# Altium PCB PCB1.PcbDoc
Units mm, origin at the board's own origin, x right, y up, seen from the top; angles counter-clockwise.
Board outline 90.4 x 78.4 mm, 2 copper layers (Top Layer, Bottom Layer); 20 components, 25 nets, 139 pads, 25 vias.
Unrouted connection lines stored in the file: 2.
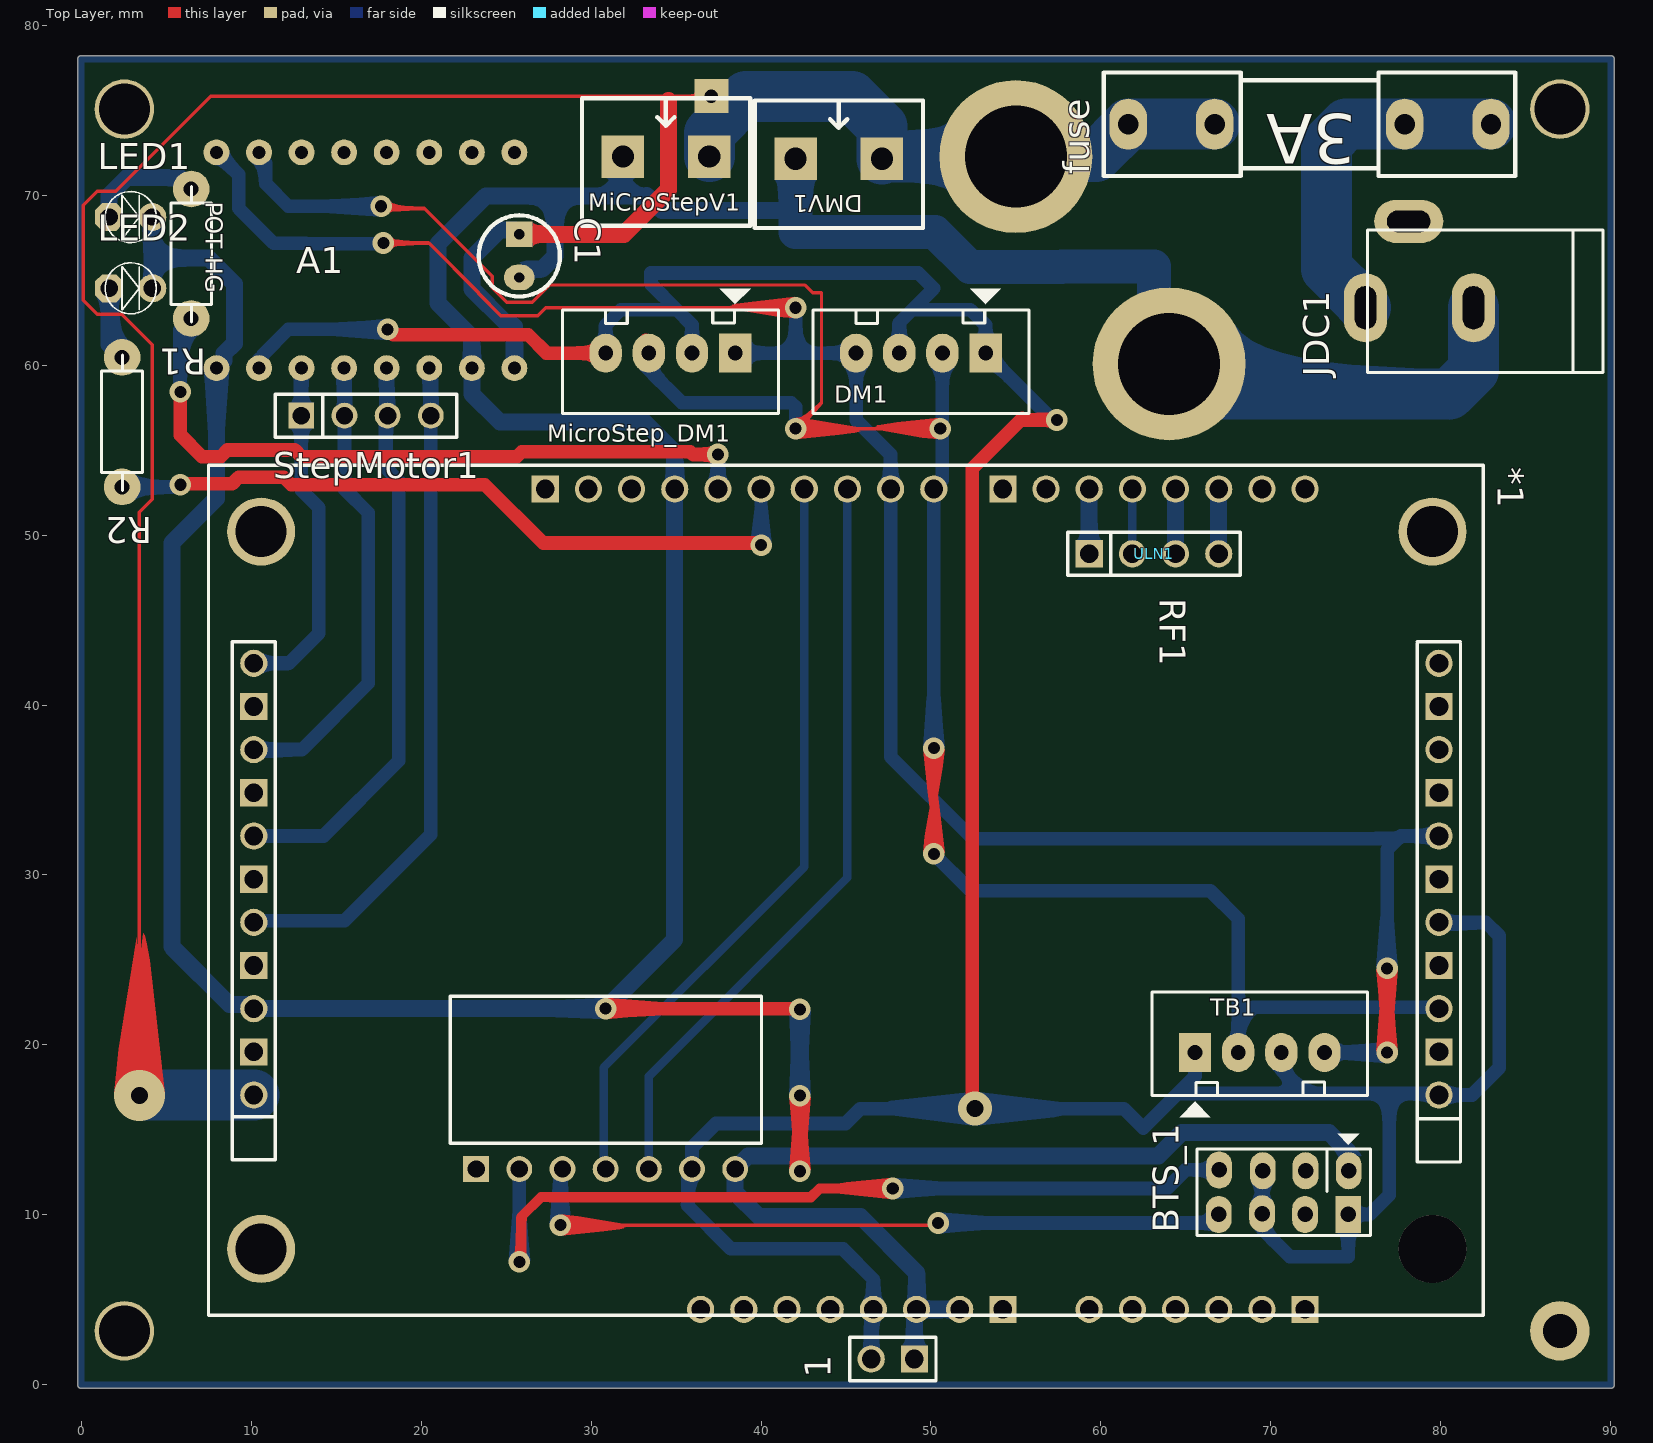
[diagram p0: Top Layer view]
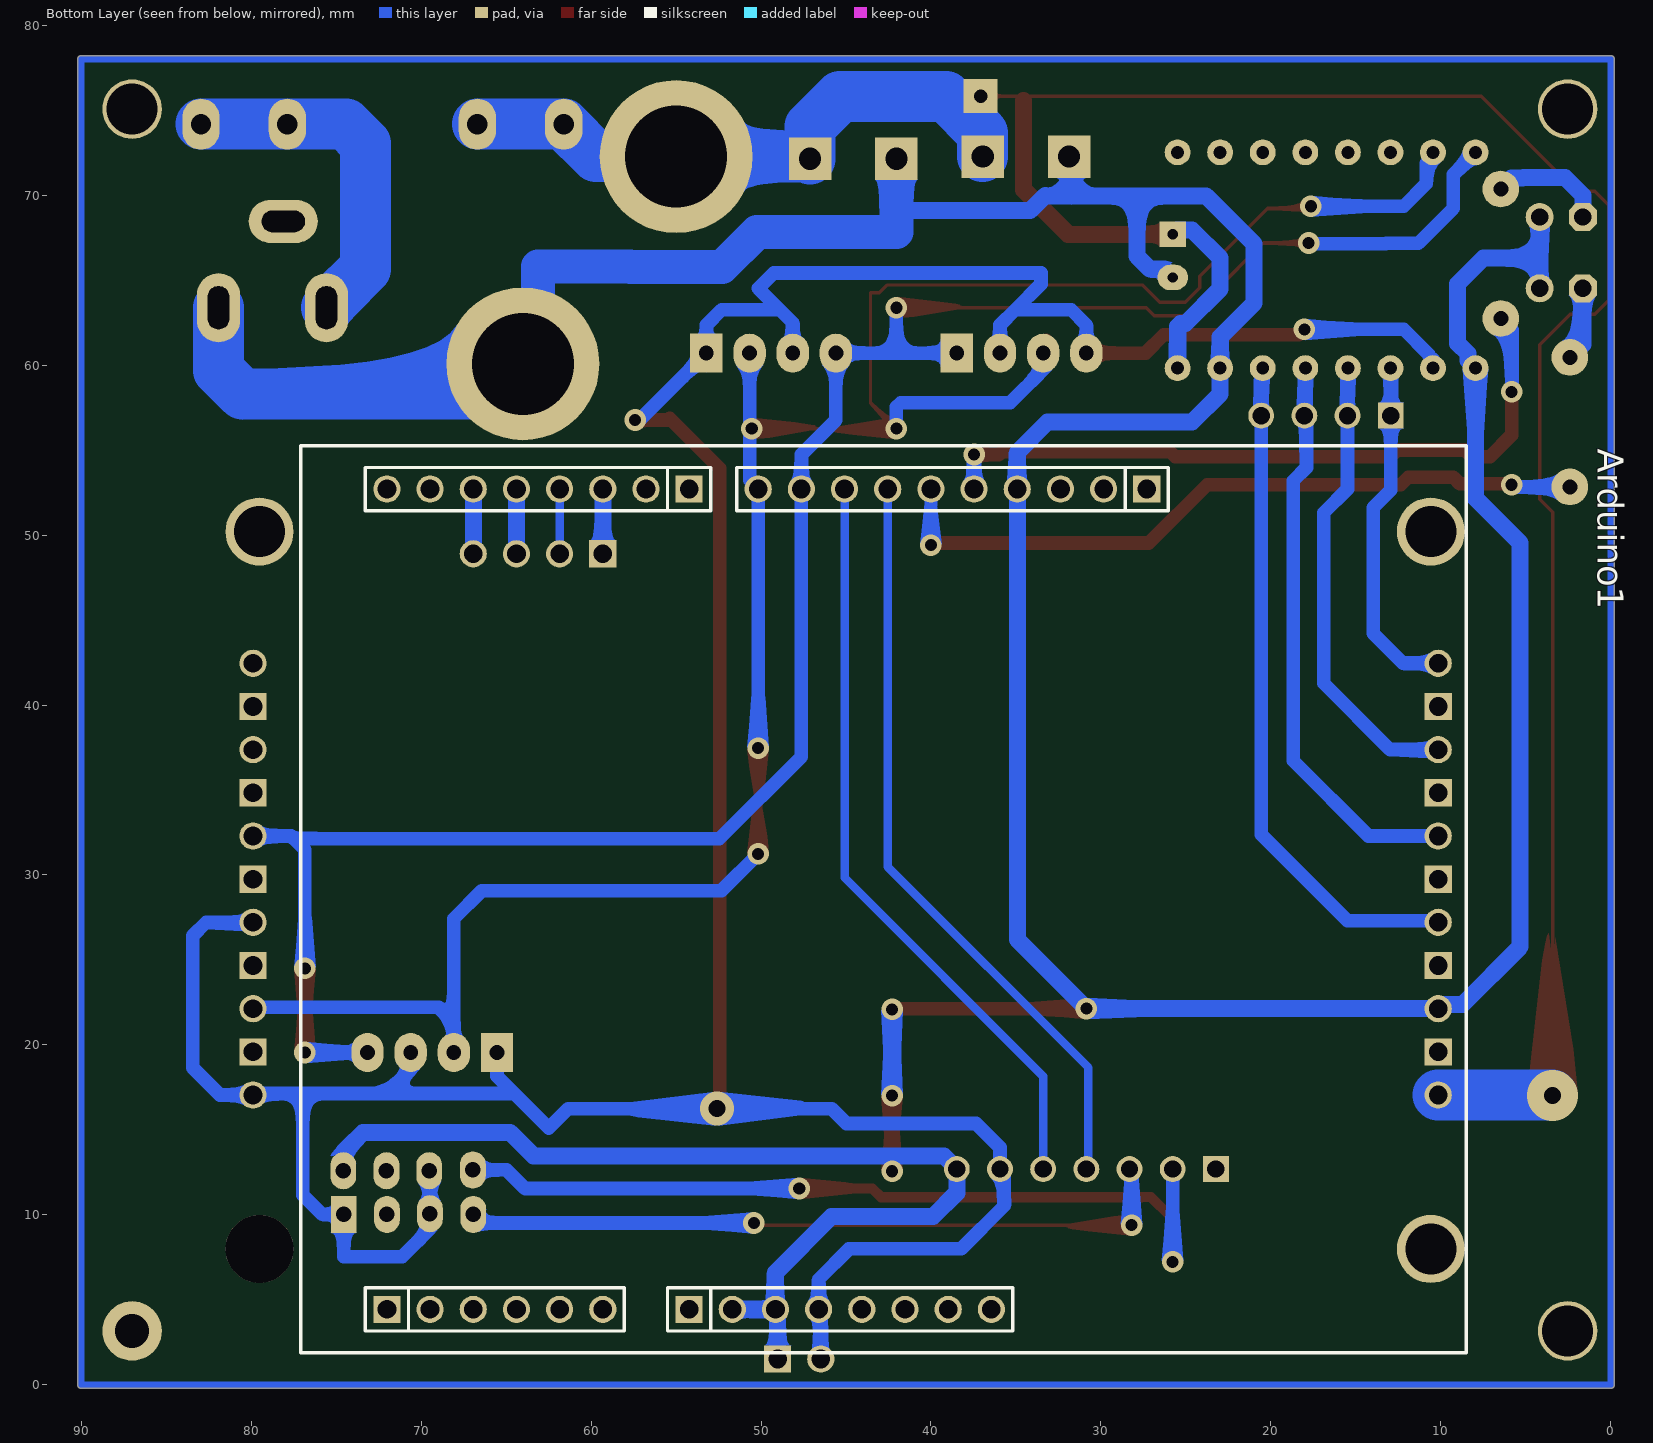
[diagram p1: Bottom Layer view, seen from below]

## Layer stack, top to bottom
Top Solder: solder mask 0.0102, Solder Resist, Dk 3.5
Top Layer: signal copper 0.0356
Dielectric 1: dielectric 0.32, FR-4, Dk 4.8
Bottom Layer: signal copper 0.0356
Bottom Solder: solder mask 0.0102, Solder Resist, Dk 3.5

## Board outline
-0.2,0 ccw(c0,0) 0,-0.2 90,-0.2 ccw(c90,0) 90.2,0 90.2,78 ccw(c90,78) 90,78.2 0,78.2 ccw(c0,78) -0.2,78

## Design rules (kind name [scope] priority, off if disabled: settings)
Clearance [All] p1: gap=0.6 ignorepadtopadclearanceinfootprint=FALSE
PolygonConnect [All] p1: connectstyle=Relief reliefconductorwidth=0.254 reliefentries=4 polygonreliefangle="90 Angle" airgapwidth=0.254
RoutingVias [All] p1: holewidth=0.711 width=1.27 viastyle="Through Hole" minholewidth=0.711 minwidth=1.27 maxholewidth=0.711 maxwidth=1.27
SolderMaskExpansion [All] p1: expansion=0.102
Width [All] p1: maxlimit=5 minlimit=0.1 preferedwidth=1
30 further rules are at their usual default settings.

## Components (designator, comment, footprint, x,y, rotation, side; value= is the part's Value field where it differs from the comment)
1 "JP2" JP2-D1T 49.022,1.524 r180 top
*1 "TB6560_Module" TB6560_Module 7.493,4.101 r0 top
A1 "A4988" A4988 7.965,59.817 r0 top
Arduino1 "Arduino Uno R3" UNO_R3_NoCircle 28.067,36.83 r180 bottom value="Cau 1A"
BTS_1 "Connector 4x2" JP4x2 70.752,11.341 r180 top
C1 "47uF" CA-ALU-2.54 25.781,66.421 r270 top value=104
DM1 "JP4" CON4 53.213,60.706 r180 top value="Connector 4"
DMV1 "KF2" KF2-5.08 44.577,72.136 r0 top
fuse "F1A" Fuse1 72.263,74.168 r180 top value=Fuse
JDC1 "Jac DC" DC0 78.74,65.913 r180 top
LED1 "LED" LED-3MM-RED 1.651,68.707 r0 top value="LED 3 ly Single Colour"
LED2 "LED" LED-3MM-RED 1.651,64.516 r0 top value="LED 3 ly Single Colour"
MicroStep_DM1 "JP4" CON4 38.481,60.706 r180 top value="Connector 4"
MiCroStepV1 "KF2" KF2-5.08 34.417,72.263 r0 top
R1 "330" RES-1/4W-SMALL 6.477,66.294 r90 top
R2 "330" RES-1/4W-SMALL 2.413,56.388 r90 top
RF1 "RF315-PT2272" RF_315 38.506,12.7 r0 top
StepMotor1 "JP4" JP4-C1T 12.954,57.023 r0 top
TB1 "JP4" CON4 65.532,19.558 r0 top value="Connector 4"
ULN1 "JP4" JP4-D1T 59.309,48.895 r0 top

## Footprints (in the part's own frame and the unit in brackets; to place one, negate y for a bottom-side part, rotate by r counter-clockwise, add the part's x,y. Pads: shape width x height; smd on the part's side, far side on the other; paste and mask are expansions set on the pad)
A4988 [mil]
  round 60 hole 30: 1(0,0) 2(98.57,0) 3(197.14,0) 4(295.71,0) 5(394.29,0) 6(492.86,0) 7(591.43,0) 8(690,0) 9(0,500) 10(98.57,500) 11(197.14,500) 12(295.71,500) 13(394.29,500) 14(492.86,500) 15(591.43,500) 16(690,500)
  body extent -55,-50 745,550, height 336
CA-ALU-2.54 [mm]
  rect 1.5x1.58 hole 0.6: 1(-1.27,0)
  oval 1.5x1.8 hole 0.6: 2(1.27,0)
  silkscreen extent -2.39,-2.39 2.39,2.39, body extent -2,-2.03 1.99,1.97, height 7.01
CON4 [mil] "CON4"
  rect 75x90 hole 34: 1(0,0)
  oval 75x90 hole 34: 2(100,0) 3(200,0) 4(300,0)
  silkscreen extent -100,-150 400,140, body extent -90,-90 398,136, height 276
DC0 [mil] "Jac DC input"
  oval 100x160 hole 50 slot 100 at 90 deg: 1(125,100) 2(-125,100)
  oval 160x100 hole 50 slot 100 at 0 deg: 3(25,-100)
  silkscreen extent -425,-80 120,250, body extent -410,-105 134,269, height 434
Fuse1 [mm]
  oval 2.2x3 hole 1.2: 1(-10.684,0) 1(-5.604,0) 2(5.579,0) 2(10.659,0)
  silkscreen extent -12.12,-3.05 12.09,3.05, body extent -10.84,-2.95 10.87,2.95, height 9.75
JP2-D1T [mm] "2 pins, 1 row, straight, gold plating"
  rect 1.6x1.6 hole 1.1: 1(0,0)
  round 1.6 hole 1.1: 2(2.54,0)
  silkscreen extent -1.27,-1.27 3.81,1.27, body extent -1.27,-1.27 3.81,1.27, height 8.54
JP4-C1T [mm] "4 row, straight, gold plating"
  rect 1.52x1.52 hole 1.02: 1(0,0)
  round 1.52 hole 1.02: 2(2.54,0) 3(5.08,0) 4(7.62,0)
  silkscreen extent -1.52,-1.27 9.14,1.27, body extent -1.52,-1.25 9.14,1.25, height 8.51
JP4-D1T [mm] "4 pins, 1 row, straight, gold plating"
  rect 1.6x1.6 hole 1.1: 1(0,0)
  round 1.6 hole 1.1: 2(2.54,0) 3(5.08,0) 4(7.62,0)
  silkscreen extent -1.27,-1.27 8.89,1.27, body extent -1.27,-1.27 8.89,1.27, height 8.54
JP4x2 [mil] "Connector 4x2"
  oval 60x86 hole 36: 1(-150.5,-49.5) 2(-50.5,-49.5) 3(48.5,-49.5) 4(149.5,-51.5) 6(-49.5,51.5) 7(50,50) 8(150.5,51.5)
  rect 60x86 hole 36: 5(-149.5,51.5)
  silkscreen extent -200,-135 200,101, body extent -197,-100 203,100, height 335
KF2-5.08 [mm]
  rect 2.5x2.5 hole 1.3: 1(-2.54,0) 2(2.54,0)
  silkscreen extent -4.95,-4.08 4.95,3.43, body extent -5,-4.07 5,3.43, height 10
LED-3MM-RED [mil]
  oct 65x65 hole 40: 1(0,0)
  round 65 hole 40: 2(100,0)
  silkscreen extent -9,-59 109,59, body extent -27,-77 117,80, height 181
RES-1/4W-SMALL [mil]
  round 85 hole 35: 1(-140,0) 2(160,0)
  silkscreen extent -148,-47 166,47, body extent -152,-47 172,47, height 97
RF_315 [mm]
  rect 1.52x1.52 hole 1.02: 1(-15.265,0)
  round 1.52 hole 1.02: 2(-12.725,0) 3(-10.185,0) 4(-7.645,0) 5(-5.105,0) 6(-2.565,0) 7(-0.025,0)
  silkscreen extent -16.79,1.52 1.52,10.17, body extent -16.82,-0.25 24.18,33.84, height 9
TB6560_Module [mm]
  round 1.6 hole 1.1: 1(2.667,12.954) 2(2.667,18.034) 3(2.667,23.114) 4(2.667,28.194) 5(2.667,33.274) 6(2.667,38.354) 7(72.39,12.954) 8(72.39,18.034) 9(72.39,23.114) 10(72.39,28.194) 11(72.39,33.274) 12(72.39,38.354)
  rect 1.6x1.6 hole 1.1: No(2.667,15.494) NO(2.667,20.574) NO(2.667,25.654) NO(2.667,30.734) NO(2.667,35.814) NO(72.39,15.494) NO(72.39,20.574) NO(72.39,25.654) NO(72.39,30.734) NO(72.39,35.814)
  round 4 hole 3: SC(3.1,3.9) SC(3.1,46.1) SC(72.009,46.1)
  round 4 hole 4: SC(72.009,3.9)
  silkscreen extent 0,0 75,50, body extent 0.09,0.13 75.09,50.13, height 40
UNO_R3_NoCircle [mm]
  round 1.6 hole 1.1: 0-RX(-43.942,15.875) 1-TX(-41.402,15.875) 2(-38.862,15.875) 3V3(-16.002,-32.385) 4(-33.782,15.875) 5V(-18.542,-32.385) 8(-22.098,15.875) 12(-11.938,15.875) 13(-9.398,15.875) A0(-31.242,-32.385) A1(-33.782,-32.385) A2(-36.322,-32.385) A3(-38.862,-32.385) A4(-41.402,-32.385) AREF(-4.318,15.875) GND(-23.622,-32.385) GND(-21.082,-32.385) GND(-6.858,15.875) IOREF(-10.922,-32.385) NC(-8.382,-32.385) RESET(-13.462,-32.385) SDA(-1.778,15.875) ~3(-36.322,15.875) ~5(-31.242,15.875) ~6(-28.702,15.875) ~9(-19.558,15.875) ~10(-17.018,15.875) ~11(-14.478,15.875)
  rect 1.6x1.6 hole 1.1: 7(-26.162,15.875) A5(-43.942,-32.385) SCL(0.762,15.875) Vin(-26.162,-32.385)
  silkscreen extent -49.02,-34.92 19.56,18.42, body extent -49.38,-35.06 26.53,18.34, height 20.78

## Part data
1: "WR-PHD 2.54 mm Angled Socket Header", Manufacturer="Würth Elektronik eiSos GmbH", partNo=613002143121, ComponentLink1 Description=Manufacturer, ComponentLink1URL=http://www.we-online.com, ComponentLink2 Description=Datasheet, ComponentLink2URL=http://katalog.we-online.de/em/datasheet/6130xx143121.pdf, Created by="Karrer Zheng", Created Date="29 March 2013", NoPins=02
Arduino1: "Arduino UNO R3", ="Cau 5A"
BTS_1: library part JP4x2
C1: library part CN-ALU-DIP, "Capacitor (Semiconductor SIM Model)", LatestRevisionDate=17-Jul-2002, LatestRevisionNote="Re-released for DXP Platform.", PackageReference=C1206, Publisher="Altium Limited"
DM1 MicroStep_DM1 TB1: library part Con4, "Connector 4"
DMV1 MiCroStepV1: Manufacturer="Würth Elektronik eiSos GmbH", partNo=691103110002, ComponentLink1 Description=Manufacturer, ComponentLink1URL=http://www.we-online.com, ComponentLink2 Description=Datasheet, ComponentLink2URL=http://katalog.we-online.de/em/datasheet/6911031100xx.pdf, Created by="Karrer Zheng", Created Date="29 October 2013", NoPins=2
fuse: library part Fuse, "Fuse", Designed by=VanDungEvn
JDC1: library part DCIN, "Jac DC input"
LED1 LED2: "LED Single colour Green and Red"
R1 R2: library part Res, "Res", Manufacturer="Generic Components", Class=Passive, Published=08/06/2000, Publisher="Altium Hobart Technology Centre", SubClass=R
RF1: Manufacturer="Würth Elektronik eiSos GmbH", partNo=613004143121, ComponentLink1 Description=Manufacturer, ComponentLink1URL=http://www.we-online.com, ComponentLink2 Description=Datasheet, ComponentLink2URL=http://katalog.we-online.de/em/datasheet/6130xx143121.pdf, Created by="Karrer Zheng", Created Date="29 March 2013", NoPins=04
StepMotor1 ULN1: "WR-PHD 2.54 mm Angled Socket Header", Manufacturer="Würth Elektronik eiSos GmbH", partNo=613004143121, ComponentLink1 Description=Manufacturer, ComponentLink1URL=http://www.we-online.com, ComponentLink2 Description=Datasheet, ComponentLink2URL=http://katalog.we-online.de/em/datasheet/6130xx143121.pdf, Created by="Karrer Zheng", Created Date="29 March 2013", NoPins=04

## Free pads (board coordinates)
  round 3.5 hole 3: 10(86.995,75.057) 11(2.54,75.057) 12(2.54,3.175)
  round 3.5 hole 2: 13(86.995,3.175)
  round 9 hole 6: 16(54.991,72.263) 17(64.008,60.071)
  rect 2x2 hole 0.8: 18(37.084,75.819)

## Via types
v1: diameter 1.27, hole 0.711, Top Layer to Bottom Layer, 23 vias
v2: diameter 2, hole 1, Top Layer to Bottom Layer, 1 vias
v3: diameter 3, hole 1, Top Layer to Bottom Layer, 1 vias

## Nets (pads, with @x,y where several pads share a name; then routed paths per layer and width w, separated by ;. In a path a pad name is that pad's centre, name@x,y a point inside that pad or via, vN(x,y) a via of type N, cw(c..) or ccw(c..) an arc to the next point about the centre after c; other vN are vias at no path point)
1A: *1.5 A1.4 StepMotor1.2 | length 27.5
  Bottom Layer w0.8: *1.5 12.991,37.375 16.891,41.275 16.891,51.308 15.494,52.705 StepMotor1.2 15.494,59.799 A1.4
1B: *1.6 A1.3 StepMotor1.1 | length 20.6
  Bottom Layer w0.8: *1.6 12.229,42.455 13.993,44.219 13.993,51.609 12.954,52.648 StepMotor1.1 12.954,59.799 A1.3
2A: *1.4 A1.5 StepMotor1.3 | length 33.9
  Bottom Layer w0.8: *1.4 14.261,32.295 18.691,36.725 18.691,53.191 17.907,53.975 17.907,56.896 StepMotor1.3 17.98,57.077 A1.5
2B: *1.3 A1.6 StepMotor1.4 | length 40.2
  Top Layer w1: A1.6 A1.6@20.574,59.726
  Bottom Layer w0.8: *1.3 10.25,27.305 15.494,27.305 20.574,32.385 StepMotor1.4 20.574,59.726 A1.6
5V+: 1.2 *1.7 *1.9 A1.2 Arduino1.5V BTS_1.3 BTS_1.5 BTS_1.7 DM1.1 DM1.3 MicroStep_DM1.2 MicroStep_DM1.4 RF1.6 TB1.1 TB1.3 | length 221.4
  Top Layer w0.8: v1(18.034,62.103) 18.358,61.779 26.303,61.779 27.376,60.706 MicroStep_DM1.4 ; v2@52.429,16.256 52.429,53.919 55.372,56.862 55.465,56.769 v1(57.404,56.769)
  Bottom Layer w0.8: A1.2 10.468,60.329 10.717,60.578 10.717,60.628 12.192,62.103 v1(18.034,62.103) ; MicroStep_DM1.4 30.861,62.357 31.753,63.249 35.049,63.249 ; MicroStep_DM1.2 35.941,62.357 35.049,63.249 ; 1.2 46.482,4.318 Arduino1.5V 46.609,6.223 44.831,8.001 38.227,8.001 35.687,10.541 35.687,12.446 RF1.6 35.941,13.97 37.354,15.383 44.974,15.383 45.847,16.256 v2(52.578,16.256) 61.341,16.256 62.484,15.113 64.643,17.272 ; DM1.3 48.133,62.484 48.898,63.249 ; v1(57.404,56.769) 57.15,56.769 DM1.1 53.213,62.357 52.321,63.249 48.898,63.249 ; TB1.1@65.659,19.685 TB1.1 65.532,18.161 64.643,17.272 ; BTS_1.3 69.482,12.56 BTS_1.7 69.52,10.033 69.52,9.134 71.113,7.541 74.549,7.541 BTS_1.5 75.819,10.033 76.962,11.176 76.962,17.145 ; TB1.3 70.612,18.542 72.009,17.145 ; *1.9 82.64,27.215 83.439,26.416 83.439,18.669 81.825,17.055 *1.7 79.793,17.145 76.962,17.145 ; 35.049,63.249 33.528,64.77 33.528,65.418 49.249,65.418 50.158,64.509 48.898,63.249 ; 64.643,17.272 64.77,17.145 72.009,17.145 ; 72.009,17.145 76.962,17.145
DIR-: *1.10 A1.9 Arduino1.~9 DM1.4 MicroStep_DM1.1 TB1.4 | length 125
  Top Layer w0.2: v1(17.78,67.183) 20.447,67.183 23.381,64.249 23.381,64.219 24.699,62.901 26.863,62.901 27.335,63.373 v1(42.037,63.373)
  Top Layer w0.8: MicroStep_DM1.1@38.294,60.893 MicroStep_DM1.1 ; v1(76.835,19.558) v1(76.835,24.511)
  Bottom Layer w0.8: A1.9 9.271,71.211 9.271,69.215 11.325,67.161 13.208,67.161 13.243,67.126 17.723,67.126 v1(17.78,67.183) ; MicroStep_DM1.1 42.037,60.706 ; v1(42.037,63.373) 42.037,60.706 ; TB1.4 v1(76.835,19.558) ; v1(76.835,24.511) 76.835,31.496 77.47,32.131 ; *1.10 77.634,32.295 77.47,32.131 ; 42.037,60.706 DM1.4 45.593,56.769 47.625,54.737 Arduino1.~9 47.625,36.957 52.451,32.131 77.47,32.131
GND: 1.1 *1.2 A1.1 A1.7 Arduino1.GND BTS_1.1 C1.2 DMV1.1 JDC1.2 LED1.2 LED2.2 MiCroStepV1.1 pad.17 RF1.7 | length 302.3
  Top Layer w0.8: v1(30.861,22.135) 42.254,22.135 v1(42.291,22.098) ; v1(42.291,12.573) v1(42.291,17.018)
  Bottom Layer w1: LED2.2 4.191,66.294 ; LED1.2 4.191,66.294 ; C1.2 26.271,65.641 27.109,65.641 27.871,66.403 27.871,69.941 ; MiCroStepV1.1 31.75,72.136 31.75,69.941 ; 42.037,69.215 41.91,69.088 34.163,69.088 33.274,69.977 33.238,69.941 31.75,69.941 ; v1(42.291,17.018) v1(42.291,22.098) ; 1.1 49.022,4.318 Arduino1.GND@49.149,4.445 ; Arduino1.GND@51.689,4.445 Arduino1.GND@49.149,4.445 ; BTS_1.1 74.574,13.691 73.406,14.859 73.388,14.841 64.752,14.841 63.373,13.462 39.243,13.462 RF1.7 38.481,11.303 39.878,9.906 45.847,9.906 49.149,6.604 Arduino1.GND@49.149,4.445 ; 4.191,66.294 7.493,66.294 9.017,64.77 9.017,61.282 8.406,60.671 8.406,60.259 A1.1 7.965,52.161 5.334,49.53 5.334,25.78 8.739,22.375 9.92,22.375 *1.2 v1(30.861,22.135) 34.925,26.199 34.925,52.705 34.925,54.864 33.147,56.642 24.638,56.642 22.987,58.293 A1.7 22.987,61.656 20.987,63.656 20.987,67.122 23.81,69.945 26.355,69.945 26.359,69.941 27.871,69.941 ; 27.871,69.941 31.75,69.941
  Bottom Layer w2: DMV1.1 42.037,69.215 42.037,67.818 50.244,67.818 52.299,65.763 57.683,65.763 57.706,65.786 63.119,65.786 63.119,60.96 pad.17
  Bottom Layer w3: pad.17 65.786,58.293 80.518,58.293 81.915,59.69 JDC1.2
IN1: Arduino1.2 ULN1.4 | length 3.8
  Bottom Layer w1: ULN1.4 Arduino1.2
IN2: Arduino1.~3 ULN1.3 | length 3.8
  Bottom Layer w1: ULN1.3 Arduino1.~3
IN3: Arduino1.4 ULN1.2 | length 3.8
  Bottom Layer w0.5: ULN1.2 Arduino1.4
IN4: Arduino1.~5 ULN1.1 | length 3.8
  Bottom Layer w1: ULN1.1 Arduino1.~5
L_IS: BTS_1.2
LED_STATUS1: Arduino1.13 R1.1 | length 42.4
  Top Layer w0.8: v1(5.842,58.42) 5.842,55.88 7.112,54.61 8.214,54.61 8.605,55.001 12.581,55.001 12.972,54.61 25.63,54.61 25.925,54.905 35.836,54.905 36.004,54.737 v1(37.465,54.737)
  Bottom Layer w0.8: v1(5.842,58.42) 5.803,58.459 5.803,62.064 R1.1 R1.1@6.477,63.246 ; Arduino1.13 v1(37.465,54.737)
LED_STATUS2: Arduino1.12 R2.1 | length 42.5
  Top Layer w0.8: v1(5.842,52.959) 5.893,53.01 8.877,53.01 9.268,53.401 11.918,53.401 12.36,52.959 23.754,52.959 27.183,49.53 v1@39.751,49.53
  Bottom Layer w0.5: v1(40.005,49.403) Arduino1.12
  Bottom Layer w0.8: R2.1 5.715,52.832 v1(5.842,52.959)
LPWM: BTS_1.4 RF1.2 | length 50.4
  Top Layer w0.6: v1(25.781,7.239) 25.908,7.366 25.908,9.906 27.062,11.06 27.613,11.06 27.635,11.038 42.927,11.038 43.446,11.557 v1(47.752,11.557)
  Bottom Layer w0.8: v1(25.781,7.239) RF1.2 ; v1(47.752,11.557) 63.881,11.557 64.973,12.649 BTS_1.4
NetA1_11: A1.11 A1.12
Netfuse_1: fuse.1 JDC1.1 | length 20.7
  Bottom Layer w3: JDC1.1 73.279,65.659 73.279,73.025 74.422,74.168 77.867,74.168 fuse.1@82.947,74.168
NetLED1_1: LED1.1 R1.2 | length 6.6
  Bottom Layer w1: LED1.1 1.651,69.977 2.707,71.033 5.154,71.033 5.194,70.993 5.842,70.993 5.999,70.836 R1.2@6.447,70.836
NetLED2_1: LED2.1 R2.2 | length 4.5
  Bottom Layer w0.8: 3.997,64.449 4.064,64.516
  Bottom Layer w1: LED2.1 1.651,61.214 R2.2
"POWER DC": *1.1 A1.8 C1.1 DMV1.2 fuse.2 MiCroStepV1.2 pad.16 pad.18 | length 163.4
  Top Layer w0.2: v3(3.429,17.018) 3.429,51.331 4.192,52.095 4.192,61.189 2.391,62.991 0.948,62.991 0.126,63.813 0.126,69.41 0.948,70.232 2.033,70.232 7.62,75.819 pad.18
  Top Layer w1: C1.1 31.926,67.691 34.544,70.309 34.544,75.565
  Bottom Layer w1: v3(3.429,17.018) v3@3.466,17.055 ; A1.8 25.491,62.266 25.316,62.441 25.031,62.441 22.987,64.485 22.987,66.294 24.638,67.945 25.527,67.945 C1.1
  Bottom Layer w3: v3@3.466,17.055 *1.1 ; MiCroStepV1.2 36.957,73.641 39.116,75.8 45.339,75.8 47.117,74.022 DMV1.2 47.244,72.263 pad.16 59.699,72.263 61.604,74.168 fuse.2@66.684,74.168
PUL-: *1.8 A1.10 Arduino1.8 DM1.2 MicroStep_DM1.3 TB1.2 | length 137.6
  Top Layer w0.2: v1(17.653,69.342) 17.78,69.215 20.193,69.215 24.181,65.227 24.181,64.55 25.03,63.701 26.532,63.701 27.539,64.708 42.59,64.708 43.036,64.262 43.561,64.262 43.561,57.785 v1(42.037,56.261) v1(50.546,56.261) ; v1(50.165,31.242) v1(50.165,37.465)
  Top Layer w0.8: MicroStep_DM1.3@33.214,61.449 33.214,60.893 MicroStep_DM1.3
  Bottom Layer w0.8: A1.10 10.468,72.276 10.871,71.873 10.871,70.663 12.192,69.342 v1(17.653,69.342) ; MicroStep_DM1.3 33.401,59.729 35.345,57.785 41.783,57.785 42.037,57.531 v1(42.037,56.261) ; v1(50.165,31.242) 52.324,29.083 66.421,29.083 68.072,27.432 68.072,21.336 ; v1(50.165,37.465) Arduino1.8 50.673,53.213 DM1.2 ; TB1.2 68.072,21.336 ; *1.8 79.793,22.225 68.961,22.225 68.072,21.336
R_IS: BTS_1.6
RF_D0: Arduino1.~10 RF1.5 | length 44.8
  Bottom Layer w0.5: RF1.5 33.401,18.161 45.085,29.845 Arduino1.~10
RF_D1: Arduino1.~11 RF1.4 | length 44.9
  Bottom Layer w0.5: RF1.4 30.734,12.827 30.734,18.669 42.545,30.48 Arduino1.~11
RF_D2: BTS_1.8 RF1.3 | length 42.4
  Top Layer w0.2: v1(28.194,9.398) 50.292,9.398 v1(50.419,9.525)
  Bottom Layer w0.8: v1(28.194,9.398) 28.194,12.573 RF1.3 ; v1(50.419,9.525) 66.421,9.525 BTS_1.8
pads on no net: *1.11 *1.12 *1.No *1.NO *1.SC A1.13 A1.14 A1.15 A1.16 Arduino1.0-RX Arduino1.1-TX Arduino1.3V3 Arduino1.7 Arduino1.A0 Arduino1.A1 Arduino1.A2 Arduino1.A3 Arduino1.A4 Arduino1.A5 Arduino1.AREF Arduino1.IOREF Arduino1.NC Arduino1.RESET Arduino1.SCL Arduino1.SDA Arduino1.Vin Arduino1.~6 JDC1.3 RF1.1
copper on no net: | length 336
  Bottom Layer w0.4: 0,0 0,78 90,78 90,0 0,0

## Text inside footprints (layer, text, board x,y; h text height)
A1: Top Overlay "POT-HG" at 7.33,69.596 h1 r270
fuse: Top Overlay "3A" at 75.006,75.717 h5 r180